# Altium PCB MB1261.PcbDoc (part 5 of 6) (continued)
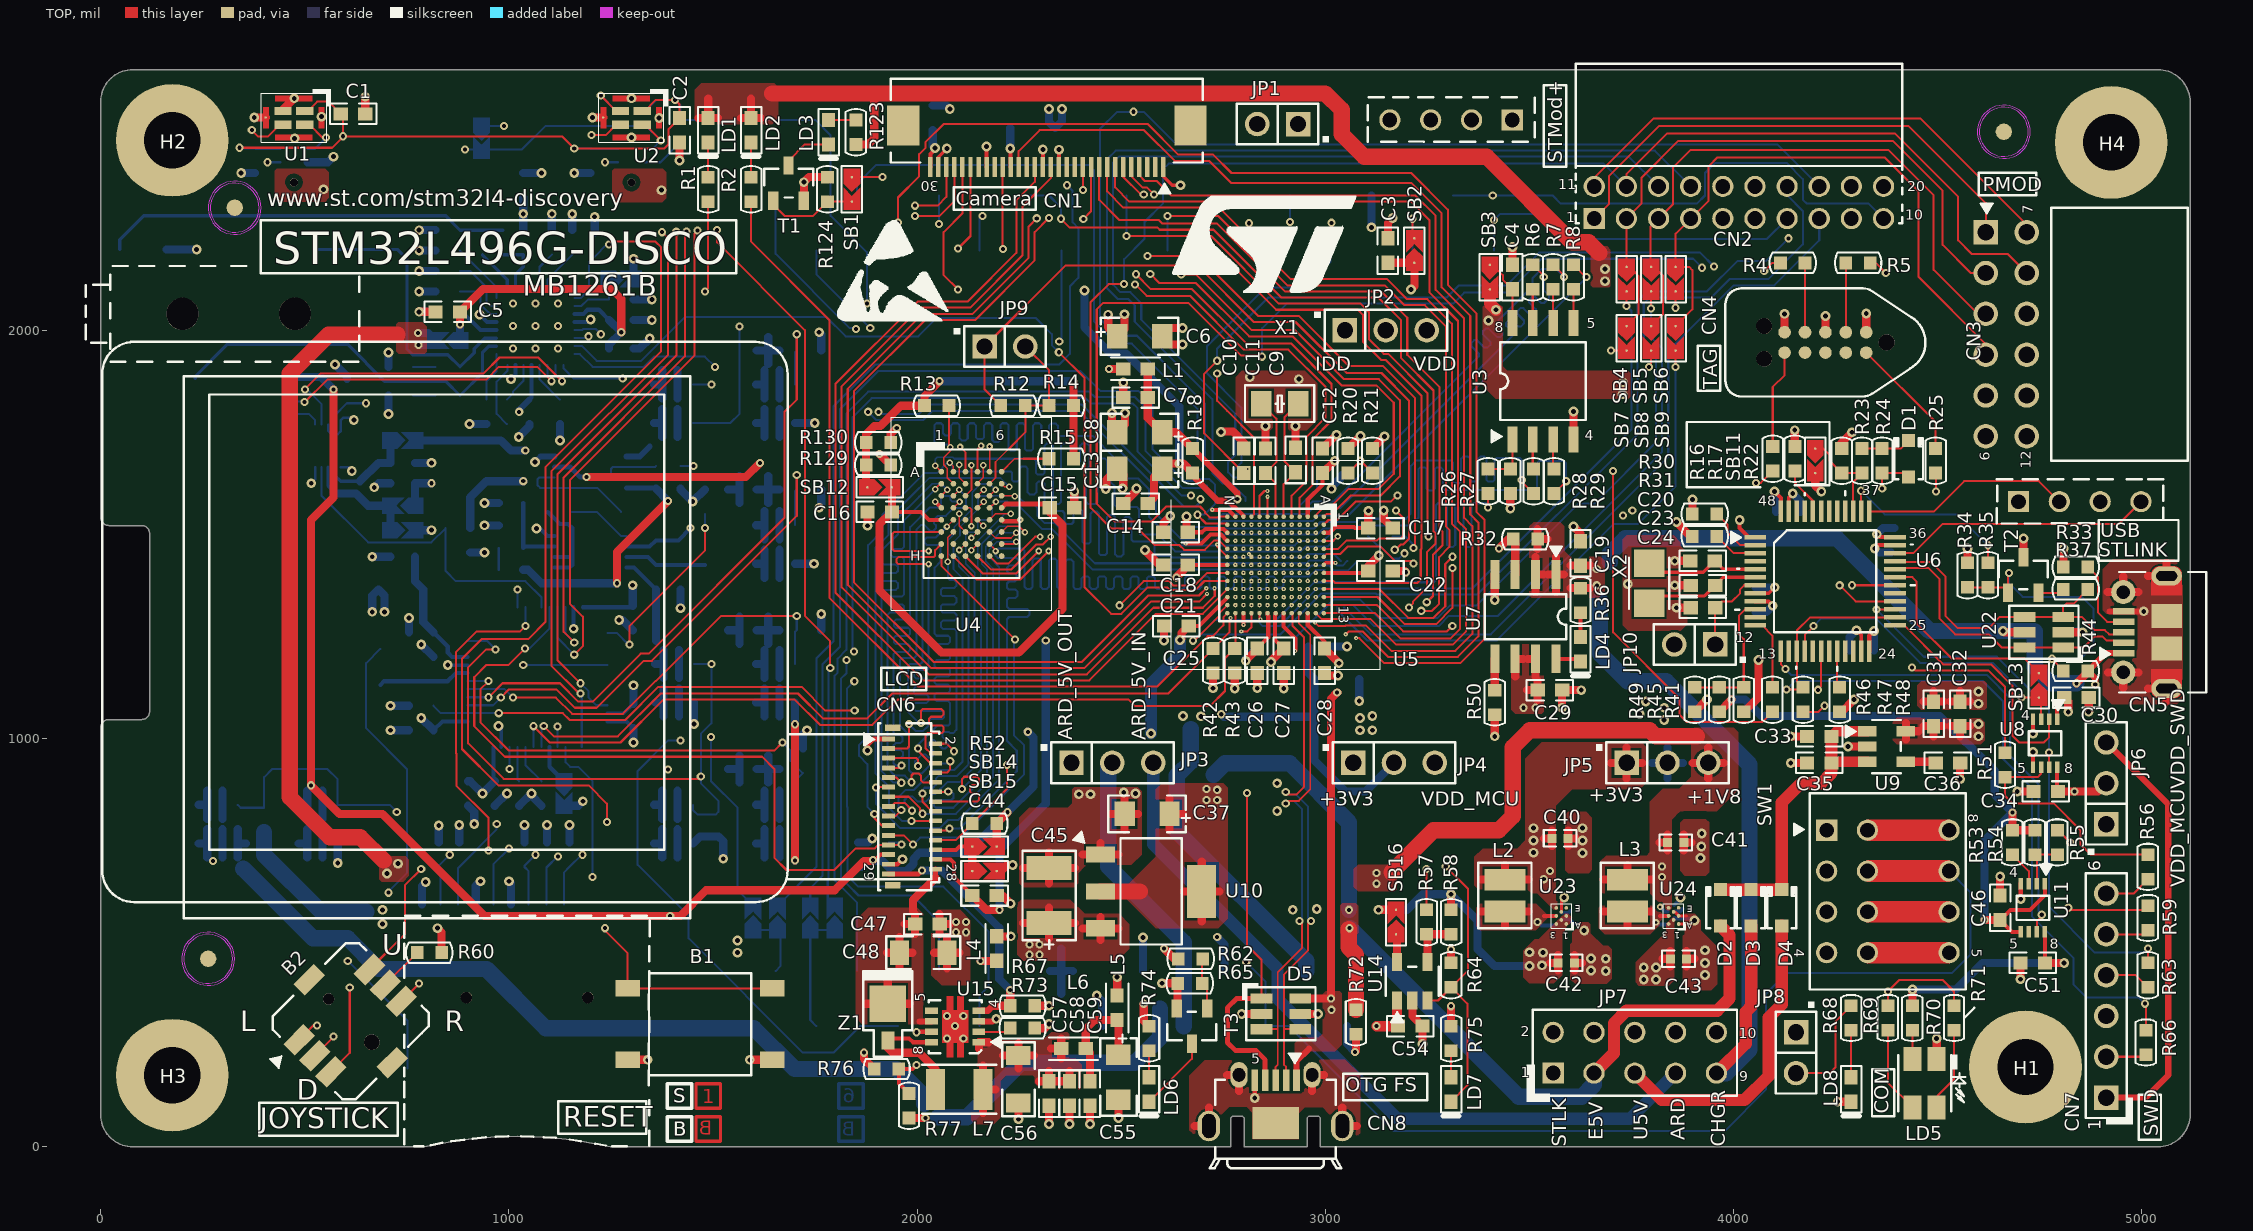
[diagram p0: TOP view]
## Nets (pads, with @x,y where several pads share a name; then routed paths per layer and width w, separated by ;. In a path a pad name is that pad's centre, name@x,y a point inside that pad or via, vN(x,y) a via of type N, cw(c..) or ccw(c..) an arc to the next point about the centre after c; other vN are vias at no path point) (continued)
  L3_SIG w20: v1(2605,485) 2727.6,362.4 v1(3014,362.4)
  L3_SIG w40: 3150,245 3310,85 3663.1,85 JP7.5@3758.1,180
  other v1: 3015,335
  other v4: 2897.79,1365.94
USB_RENUMN: R35.2 U6.38 | length 459.2
  TOP w5: U6.38@4312.68,1556.26 v1(4312.68,1606.68) ; R35.2@4623.1,1430 v1(4623.1,1473)
  BOTTOM w5: v1(4312.68,1606.68) 4370.36,1549 4547.1,1549 v1(4623.1,1473)
USD_CLK: CN17.5 U5.F8 | length 3511.9
  L3_SIG w3.5: v4(2897.79,1405.31) 2907.54,1395.56 2929.82,1395.56 2930,1395.38 2947.06,1395.38 2958.94,1383.5 3097.52,1383.5 3103,1378.02 3132,1378.02
  L3_SIG w4: v1(1000,730) 1005,735 1070,735 1112,693 1268,693 1323,748 1818.94,748 1853.94,783 1957.02,783 1971.12,768.9 2022.14,768.9 2042.04,749 3182.96,749 3330,896.04 3330,1009 3281,1058 3281,1286.03 3291.25,1296.28 3291.25,1354.82 3268.07,1378 3132.02,1378
  BOTTOM w5: CN17.5@961.8,593.35 961.8,691.8 v1(1000,730)
USD_CMD: CN17.3 R120.1 U5.D8 | length 3416.1
  TOP w3.5: U5.D8@2937.16,1405.31 U5.D8@2937.16,1405.31 2937.57,1404.98 2937.9,1405.31 2937.9,1405.14 v4(2938.07,1405.14)
  L3_SIG w4: v1(1065,715) 1102,678 1269.98,678 1327.98,736 1920,736 1940.9,756.9 1954.11,756.9 1954.21,757 1968.31,757 1968.41,756.9 2013.1,756.9 2035,735 3185.94,735 3344,893.06 3344,1019.02 3293,1070.02 3293,1281.05 3303.25,1291.3 3303.25,1359.8 3273.05,1390 3137,1390 ; v4(2938.07,1405.14) 2948.27,1405.14 2962.16,1391.25 3130.75,1391.25 3131.97,1390.03 3136.97,1390.03
  BOTTOM w5: CN17.3@1048.41,593.35 1048.41,674.69 R120.1@1038.1,685 1038.1,688.1 v1(1065,715)
USD_D0: CN17.7 R121.1 U5.G10 | length 2822.7
  L3_SIG w3.5: v4(2878.1,1365.94) 2878.1,1346.9 2917,1308 2963.04,1308 2975,1296.04 2975,1271.07 2984,1262.07
  L3_SIG w4: v1(970,790) 1000.5,820.5 1787.48,820.5 1921.98,955 2025,955 2070,910 2179,910 2264,825 2581,825 2702,946 2805,946 2983.5,1124.5 2983.5,1198.52 2998,1213.02 2998,1253.04 2988.97,1262.07 2984,1262.07
  BOTTOM w5: CN17.7@875.19,593.35 875.19,682.09 R121.1@878.1,685 970,776.9 v1(970,790)
USD_D1: CN17.8 R122.1 U5.G9 | length 2921.8
  L3_SIG w3.5: v4(2878.1,1385.63) 2887.85,1375.88 2887.85,1360.66 2890.18,1358.33 2893.33,1355.19 2902.16,1355.19 2902.35,1355 2902.84,1355 2929.34,1328.5 2963.76,1328.5 3000.53,1291.73 3000.53,1285.53 ; 3000.52,1285.52 3000.52,1284.48 3010,1275
  L3_SIG w4: v1(855,715) 879,715 930,766 1261.94,766 1291.94,796 1796.94,796 1860.94,860 1914,860 1928.38,874.38 1968.17,874.38 1969.23,875.44 1993.15,875.44 1999.71,882 2032,882 2062,852 2088,852 2142,798 2755,798 2784,827 2784,891.02 3007.5,1114.52 3007.5,1188.56 3022,1203.06 3022,1263 3010,1275
  BOTTOM w5: CN17.8@831.88,593.35 831.88,681.22 R122.1@828.1,685 828.1,688.1 v1(855,715)
USD_D2: CN17.1 R118.1 U5.D9 | length 3159.2
  L3_SIG w4: v1(1180,715) 1270,715 1315,760 1813.96,760 1851.96,798 1959,798 1976.1,780.9 2027.12,780.9 2047.02,761 3147.98,761 3225,838.02 3225,1247.01 3279.25,1301.26 3279.25,1349.84 3266.09,1363 3130.97,1363 3127.22,1366.75 3099.25,1366.75 3090.75,1375.25 2955.45,1375.25 2945.07,1385.63 v4(2937.16,1385.63)
  BOTTOM w5: CN17.1@1135.03,593.35 1135.03,671.93 R118.1@1148.1,685 1178.1,715 v1(1180,715)
USD_D3: CN17.2 R119.1 U5.E9 | length 3232.4
  L3_SIG w3.5: v4(2917.47,1385.63) 2921.37,1385.63 2931.31,1375.69 2944.04,1375.69 2952.23,1367.5 3083.11,1367.5 3091.61,1359 3124,1359 3132,1351
  L3_SIG w4: v1(1120,711) 1147,738 1268,738 1302,772 1808.98,772 1872.98,836 1923.96,836 1937.96,850 1984.92,850 1998.92,836 2044.04,836 2052.04,828 2075.02,828 2130.02,773 3143,773 3210,840 3210,1249 3267.25,1306.25 3267.25,1344.86 3261.11,1351 3132,1351
  BOTTOM w5: CN17.2@1091.72,593.35 1091.72,683.62 R119.1@1093.1,685 1119.1,711 v1(1120,711)
USD_DETECT: CN17.10 U21.29 | length 1474
  L3_SIG w4: v1(605,455) 605,820 964.53,1179.53 v1(1035,1179.53)
  BOTTOM w5: v1(605,455) 751.17,308.83 CN17.10@751.17,191.77 ; v1(1035,1179.53) U21.29@1241.26,1179.53
VDD: C60.1 C61.1 CN1.20 CN1.30 CN4.1 CN15.2 CN17.4 JP5.2 R21.1 R27.2 R42.1 R43.1 R60.1 R94.2 R114.1 R118.2 R119.2 R120.2 R121.2 R122.2 SB3.1 SB18.1 SW1.5 T8.4 T11.4 | length 2213.9
  TOP w10: CN1.30@2032.23,2400 2032.23,2431.65 2043.7,2443.12 v2(2043.7,2445.96) ; v2(2228.1,2445.06) 2229.08,2444.08 CN1.20@2229.08,2400
  TOP w20: v2(825,535) 835,525 R60.1@835,475 ; v2(2725,1122.9) R42.1@2725,1160 ; v2(2778.1,1122.1) R43.1@2778.1,1160 ; R21.1@3115,1710 v2(3145,1740) ; v2(3453.1,1562.9) R27.2@3453.1,1600 ; CN4.1@4325,1995 v2(4325,2041)
  TOP w30: SB3.1@3403.1,2100 3403.1,2064.9 v2(3418,2050)
  L4_VCC w20: 3800.08,940 JP5.2@3838.1,940 ; 3838.1,901.98 JP5.2@3838.1,940 ; 3838.1,978.02 JP5.2@3838.1,940 ; 3876.12,940 JP5.2@3838.1,940 ; 4494.08,475 SW1.5@4528.1,475 ; 4528.1,440.98 SW1.5@4528.1,475 ; 4528.1,509.02 SW1.5@4528.1,475 ; 4562.12,475 SW1.5@4528.1,475
  BOTTOM w20: v2(580.5,695) T11.4@580.5,742.76 ; R122.2@828.1,745 v2(828.1,786.9) ; R121.2@878.1,745 v2(878.1,788.1) ; R114.1@900,835 915,820 v2(915,790) ; v2(1000,650) 1005.11,644.89 CN17.4@1005.11,593.35 ; R120.2@1038.1,745 v2(1038.1,788.1) ; R119.2@1093.1,745 v2(1093.1,788.1) ; R118.2@1148.1,745 v2(1148.1,788.1) ; SB18.1@1305,2125 v2(1305,2175) ; v2(1453.6,1035) T8.4@1453.6,1087.76 ; v2(1760,1565) 1765,1570 R94.2@1765,1610 ; C60.1@2038.1,2490 2038.1,2451.56 v2(2043.7,2445.96) ; v2(2228.1,2445.06) C61.1@2228.1,2495 ; 3800.08,940 JP5.2@3838.1,940 ; 3838.1,901.98 JP5.2@3838.1,940 ; 3838.1,978.02 JP5.2@3838.1,940 ; 3876.12,940 JP5.2@3838.1,940
  BOTTOM w40: 2670,1023 2670,943 2636,909 2636,772 2953.1,454.9 CN15.2@2953.1,430
  other v1: 3729,1546 3752,1558
  other v2: 3085,1020 3115,1020 3830,1045 3085,1050 2695,1054 2651,1055 3115,1055 3770,1060 3830,1075 3785,1090 3727.88,1843.01 3729.04,1871.99 3399.95,2023.49
VDD1: C93.1 C101.1 C102.1 C103.1 CN9.1 JP2.3 L8.1 R114.2 T4.4 T6.4 U21.1 U21.24 U21.36 U21.48 | length 1345.6
  L3_SIG w20: v2(1747,1427.76) 1724,1450.76 1724,1614 1749,1639 v2(1749,1772.76)
  L4_VCC w20: 3248.1,1961.98 JP2.3@3248.1,2000 ; 3248.1,2038.02 JP2.3@3248.1,2000 ; 3286.12,2000 JP2.3@3248.1,2000 ; 3424.08,2515 CN9.1@3458.1,2515 ; 3458.1,2480.98 CN9.1@3458.1,2515 ; 3458.1,2549.02 CN9.1@3458.1,2515 ; 3492.12,2515 CN9.1@3458.1,2515
  BOTTOM w10: C102.1@815,1020 836.73,1041.73 U21.1@898.74,1041.73 ; U21.48@961.73,978.74 961.73,898.27 C103.1@965,895 ; U21.24@1181,1321.26 1301.84,1321.26 C93.1@1303.1,1325 ; U21.36@1241.26,1041.73 1288.27,1041.73 C101.1@1305,1025
  BOTTOM w20: v2(665,1445) L8.1@710,1445 ; v2(785,1050) C102.1@815,1020 ; R114.2@900,895 905,895 v2(935,865) C103.1@965,895 ; C93.1@1303.1,1325 v2(1303.1,1375) ; v2(1305,990) C101.1@1305,1025 ; T6.4@1700.5,1427.76 v2(1747,1427.76) ; T4.4@1700.5,1772.76 v2(1749,1772.76)
VDD_LCD: C82.1 C104.1 CN6.25 R52.2 R87.2 R88.1 R117.1 R129.2 SB14.1 SB21.2 T11.1 T11.2 T11.5 T11.6 | length 5309.6
  TOP w10: v1(1892,702) 1894,700 1894.78,700 1910,715.22 CN6.25@1930.26,715.22
  TOP w20: v1(570,1855) 570,1590 515,1535 v1(515,885) 585,815 690,815 940,565 v1(1395,565) 1420,565 1483,628 1798,628 1870,700 1890,700 v1(1892,702) ; v1(1908,1697) R129.2@1935,1670 ; SB14.1@2195,735 R52.2@2195,791.38 2221.62,818 v1(2221.62,819)
  L3_SIG w20: v1(570,1855) 570,1760 705,1625 v1(810,1625) ; v1(1908,1697) 1823,1612 1823,1348 2156,1015 2270,1015 2271.04,1016.04 v1(2271.1,1016.04)
  BOTTOM w20: R88.1@465,1885 R87.2@535,1885 540,1885 v1(570,1855) ; 485.18,742.76 T11.6@505.7,742.76 ; 485.18,837.24 T11.1@505.7,837.24 ; 505.7,708.24 T11.6@505.7,742.76 ; 505.7,777.28 T11.6@505.7,742.76 ; 505.7,802.72 T11.1@505.7,837.24 ; 505.7,871.76 T11.1@505.7,837.24 ; 543.1,708.24 T11.5@543.1,742.76 543.1,777.28 ; 543.1,802.72 T11.2@543.1,837.24 543.1,871.76 ; SB21.2@770,1570 C82.1@770,1625 v1(810,1625) ; C104.1@1855,685 1864.78,685 1879.78,700 1890,700 v1(1892,702) 1894,700 1915,700 R117.1@1930,685 1940,675 1973.19,675 1990.9,692.71 1990.9,704.9 2006,720 2122.62,720 v1(2221.62,819) 2285,882.38 2285,1002.14 v1(2271.1,1016.04)
VDD_MCU: C6.1 C12.1 C17.1 C18.1 C21.1 C22.1 C25.1 C26.1 C27.1 C28.1 C81.1 C89.1 C97.1 C98.1 JP2.2 JP4.3 R93.2 SB24.1 U5.A3 U5.A8 U5.B6 U5.C1 U5.C13 U5.F12 U5.G2 U5.G13 U5.H13 U5.L12 U5.N3 U5.N7 U5.N11 | length 4576
  TOP w10: C21.1@2663.1,1425 U5.N7@2759.99,1425 ; C18.1@2663.1,1505 2698,1505 2706,1513 2750.73,1513 U5.N3@2759.99,1503.74 ; C25.1@2665,1275 2690,1275 2746.49,1331.49 2746.49,1332.17 2759.99,1345.67 U5.N11@2759.99,1346.26 ; C26.1@2833.1,1220 2860,1246.9 2860,1300.3 2858.41,1301.89 U5.H13@2858.41,1306.89 ; U5.G13@2878.1,1306.89 2878.1,1301.89 2877,1300.79 2877,1241.1 C27.1@2898.1,1220 ; U5.C13@2956.84,1306.89 2956.84,1278.16 2998.1,1236.9 C28.1@2998.1,1220 ; U5.C1@2956.84,1543.11 2956.84,1584.84 2993.1,1621.1 C12.1@2993.1,1650 ; U5.A8@2996.21,1405.31 3098.41,1405.31 C22.1@3105,1410 ; U5.A3@2996.21,1503.74 3010,1503.74 3024.26,1518 3070,1518 3073,1515 C17.1@3105,1515
  TOP w20: v2(2468,2038) 2468,2007 C6.1@2490,1985 2508,2003 v2(2508,2039) ; v1(2635,1394.25) 2635,1395 2663.1,1423.1 C21.1@2663.1,1425 ; v2(2644,1241) 2647.92,1244.92 2647.92,1257.92 C25.1@2665,1275 ; v2(2660,1543.81) 2660,1508.1 C18.1@2663.1,1505 ; v2(2805,1190) 2805,1191.05 2833.1,1219.15 C26.1@2833.1,1220 ; v2(2867,1187) 2867,1190 2897,1220 C27.1@2898.1,1220 ; C12.1@2993.1,1650 v2(3023.1,1680) ; C28.1@2998.1,1220 3033,1185.1 v2(3033,1184) ; C22.1@3105,1410 3105,1422 v2(3131,1448) ; C17.1@3105,1515 3105,1557.15 v2(3105.54,1557.69)
  L2_GND w8: v2(2644,1241) 2646,1241 2687.74,1282.74 2773.74,1282.74 2799.4,1308.4 v3(2799.4,1326.7) ; v3(2878.1,1523.43) 2878.1,1575.1 2889,1586 2889,1608 v5(2912,1631) ; v3(2897.79,1326.57) 2897.79,1299.21 2907.95,1289.05 2907.95,1269.2 v5(2911.15,1266) ; v3(2976.53,1444.69) 2998.69,1444.69 3010,1456 3119,1456 3127,1448 v2(3131,1448)
  L3_SIG w30: v2(1181,846) 1700,846 1805,951 1805,1072 1837,1104 2018,1104 2150,972 2287,972 2324,1009 2570,1009 v2(2573,1012)
  L4_VCC w20: 3110.08,2000 JP2.2@3148.1,2000 ; 3148.1,1961.98 JP2.2@3148.1,2000 ; 3148.1,2038.02 JP2.2@3148.1,2000 ; 3186.12,2000 JP2.2@3148.1,2000 ; 3230.08,940 JP4.3@3268.1,940 ; 3268.1,901.98 JP4.3@3268.1,940 ; 3268.1,978.02 JP4.3@3268.1,940 ; 3306.12,940 JP4.3@3268.1,940
  L5_GND w10: v7(2890,1230) 2890,1247.73 2904.17,1261.9 2907.05,1261.9 v5(2911.15,1266) ; v7(2905,1650) 2905,1638 v5(2912,1631) 2925,1644 v7(2925,1650)
  BOTTOM w20: SB24.1@1135,835 1170,835 v2(1181,846) ; v2(2805,1190) 2805,1195 2830,1220 C98.1@2833.1,1220 ; v2(2867,1187) 2867,1190 2897,1220 C97.1@2898.1,1220 ; v2(3015.17,1611.29) 3018,1614.12 3018,1618 3040,1640 R93.2@3040,1645 ; C89.1@3105,1410 3105,1422 v2(3131,1448)
  BOTTOM w30: v2(2573,1012) 2573,1133 2644,1204 v2(2644,1241)
VDD_STL: C34.1 C46.1 JP6.2 R45.2 R53.2 R54.2 U8.8 U11.1 U11.5 | length 1891.9
  TOP w10: U11.5@4703.57,525.94 4682.16,525.94 C46.1@4653.1,555 4678.1,580 4726,580 4762.63,616.63 U11.1@4762.63,644.06 ; U8.8@4792.63,928.94 4792.63,872.37 C34.1@4795,870
  TOP w20: R45.2@3965,1065 v1(3995,1095) ; v1(4615,555) C46.1@4653.1,555 ; v1(4683.1,818.1) R53.2@4683.1,775 R54.2@4738.1,775 ; C34.1@4795,870 v1(4835,870) 4893.1,870 JP6.2@4913.1,890
  L3_SIG w20: v1(4683.1,818.1) 4783.1,818.1 v1(4835,870)
  BOTTOM w20: v1(3995,1095) 4028,1095 4068,1055 4505,1055 4640,920 4640,861.2 v1(4683.1,818.1) 4615,750 v1(4615,555)
VDDA: C7.1 C8.1 L1.2 R18.2 U5.L2 | length 499.3
  TOP w15: R18.2@2675,1710 2784.17,1600.83 v1(2784.17,1585.96)
  TOP w20: L1.2@2565,1905 C7.1@2565,1835 2565,1785 C8.1@2600,1750 2635,1750 R18.2@2675,1710
  L2_GND w8: v1(2784.17,1585.96) 2784.17,1585.17 2784,1585 2784,1559 2796.25,1546.75 2796.25,1537.54 2799.36,1534.43 v3(2799.36,1523.43)
VIN: C45.1 CN15.8 U10.3 | length 511.2
  TOP w20: 2260.08,547.5 C45.1@2323.1,547.5 ; 2323.1,509.98 C45.1@2323.1,547.5 ; 2323.1,585.02 C45.1@2323.1,547.5 ; 2386.12,547.5 C45.1@2323.1,547.5 ; 2405.56,534.45 U10.3@2449.08,534.45 ; 2449.08,506.43 U10.3@2449.08,534.45 ; 2449.08,562.47 U10.3@2449.08,534.45 ; 2492.6,534.45 U10.3@2449.08,534.45
  BOTTOM w20: 2325.08,430 CN15.8@2353.1,430 ; 2353.1,374.48 CN15.8@2353.1,430 ; 2353.1,485.52 CN15.8@2353.1,430 ; 2381.12,430 CN15.8@2353.1,430
  other v1: 2275,470 2300,470 2275,495 2300,495
VL: C56.1 C57.1 C58.1 L6.2 L7.1 U15.1 | length 521.3
  TOP w20: 2151.17,239.59 U15.1@2151.17,255.61 2174.69,255.61 ; 2161.1,81.98 L7.1@2161.1,140 ; 2161.1,198.02 L7.1@2161.1,140 ; 2192.12,140 L7.1@2161.1,140 ; 2210.08,223 C56.1@2248.1,223 ; 2248.1,191.98 C56.1@2248.1,223 ; 2248.1,254.02 C56.1@2248.1,223 ; 2286.12,223 C56.1@2248.1,223 ; 2299.08,160 C57.1@2323.1,160 ; 2323.1,185.52 C57.1@2323.1,160 ; 2327.58,240 L6.2@2353.1,240 ; 2347.12,160 C57.1@2323.1,160 ; 2349.08,160 C58.1@2373.1,160 2373.1,185.52 ; 2353.1,215.98 L6.2@2353.1,240 ; 2353.1,264.02 L6.2@2353.1,240
VREF+: C3.1 C13.1 C14.1 R18.1 SB2.2 U5.L1 | length 1850
  TOP w10: 2757,1579 2763,1579 2775.04,1566.96 2778.04,1566.96 2799.36,1545.64 U5.L1@2799.36,1543.11
  TOP w15: R18.1@2675,1650 2675,1643 2736,1582 2754,1582 2757,1579
  TOP w20: C14.1@2565,1575 2580,1590 2580,1640 C13.1@2600,1660 2613,1673 v2(2642,1673) 2652,1673 R18.1@2675,1650 ; C3.1@3153.1,2165 SB2.2@3218.1,2165 3218.1,2107.6 3210.08,2099.58 v2(3210.08,2099.5)
  L3_SIG w20: v2(2410,2097) 2421,2086 3196.58,2086 v2(3210.08,2099.5)
  BOTTOM w20: v2(2410,2097) 2410,2007 2474,1943 2512,1943 2642,1813 v2(2642,1673)
pads on no net: "B2. " "CN4. " "CN6. " "CN12. " "CN17. " "SW1. " "U16. " "U17. " B2.7 B2.8 CN1.2 CN1.3 CN1.12 CN1.13 CN1.18 CN1.22 CN1.24 CN1.31 CN1.32 CN3.9 CN3.10 CN4.7 CN4.8 CN4.9 CN12.5 CN12.7 CN13.11 CN13.12 CN17.11 CN17.12 CN17.13 CN17.14 U4.E3 U4.G2 U4.H6 U6.4 U6.11 U6.14 U6.21 U6.22 U6.40 U6.41 U6.42 U6.43 U6.45 U6.46 U11.6 U15.5 U18.19 U18.20 U18.23 U18.24 U21.10 U21.12 U21.13 U21.14 U21.15 U21.18 U21.26 U21.27 U21.28 U21.30 U21.31 U21.32 U21.33 U21.38 U23.E1 U24.E1
copper on no net: | length 1500
  TOP w8: 1458,94 1518,94 ; 1458,94 1458,154 ; 1458,94 1518,94 ; 1458,94 1458,154 ; 1458,154 1468,154 ; 1458,154 1468,154 ; 1468,154 1518,154 ; 1468,154 1518,154 ; 1518,94 1518,154 ; 1518,94 1518,154 ; 1458,13 1518,13 1518,73 1458,73 1458,13
  BOTTOM w8: 1808,73 1818,73 ; 1808,73 1808,13 1868,13 1868,73 ; 1808,73 1818,73 ; 1808,94 1868,94 ; 1808,94 1808,154 ; 1808,94 1868,94 ; 1808,94 1808,154 ; 1808,154 1818,154 ; 1808,154 1818,154 ; 1818,73 1868,73 ; 1818,73 1868,73 ; 1818,154 1868,154 ; 1818,154 1868,154 ; 1868,94 1868,154 ; 1868,94 1868,154

## Polygon pours and split planes (outlines as drawn)
no net on LAY3 (solid, pour order 257): 23 vertices, not listed, extent 5018.1,-400 5118.1,-300
no net on LAY3 (solid, pour order 258): 23 vertices, not listed, extent 5118.1,-300 5218.1,-200
no net on LAY3 (solid, pour order 268): 203.1,560 203.1,600 3.1,600 3.1,1220 3.1,1455 3.1,1970 1683.1,1970 1683.1,1010 2033.1,1010 2033.1,655 1683.1,655 1683.1,600 1443.1,600 1443.1,560 203.1,560
no net on LAY3 (solid, pour order 267): 3.1,1047 3.1,1520 449.1,1520 449.1,1776.46 665.1,1776.46 665.1,1520 577.1,1520 577.1,1047 3.1,1047
no net on LAY3 (solid, pour order 262): 4538.1,105 ccw(c4478.1,105) 4478.1,165 ccw(c4478.1,105) 4418.1,105 ccw(c4478.1,105) 4478.1,45 ccw(c4478.1,105) 4538.1,105
no net on LAY3 (solid, pour order 264): 4722.1,2486 ccw(c4662.1,2486) 4662.1,2546 ccw(c4662.1,2486) 4602.1,2486 ccw(c4662.1,2486) 4662.1,2426 ccw(c4662.1,2486) 4722.1,2486
no net on LAY3 (solid, pour order 266): 388.1,2300 ccw(c328.1,2300) 328.1,2360 ccw(c328.1,2300) 268.1,2300 ccw(c328.1,2300) 328.1,2240 ccw(c328.1,2300) 388.1,2300
no net on LAY3 (solid, pour order 261): 4722.1,2486 ccw(c4662.1,2486) 4662.1,2546 ccw(c4662.1,2486) 4602.1,2486 ccw(c4662.1,2486) 4662.1,2426 ccw(c4662.1,2486) 4722.1,2486
no net on LAY3 (solid, pour order 263): 323.1,460 ccw(c263.1,460) 263.1,520 ccw(c263.1,460) 203.1,460 ccw(c263.1,460) 263.1,400 ccw(c263.1,460) 323.1,460
no net on LAY3 (solid, pour order 265): 323.1,460 ccw(c263.1,460) 263.1,520 ccw(c263.1,460) 203.1,460 ccw(c263.1,460) 263.1,400 ccw(c263.1,460) 323.1,460
no net on LAY3 (solid, pour order 260): 23 vertices, not listed, extent 5018.1,-400 5118.1,-300
no net on LAY3 (solid, pour order 259): 23 vertices, not listed, extent 5118.1,-300 5218.1,-200
3V3_OUT on TOP "TOP-3V3_OUT" (solid, pour order 187): 45 vertices, not listed, extent 1455,2505 1660,2605
3V3_OUT on TOP "TOP-3V3_OUT 1" (solid, pour order 168): 33 vertices, not listed, extent 3650,2105 3698.08,2205
3V3_OUT on TOP "TOP-3V3_OUT 2" (solid, pour order 198): 31 vertices, not listed, extent 3365,580 3785,990
1V8_OUT on TOP "TOP-1V8_OUT" (solid, pour order 167): 682,705 688,711 747,711 755,703 755,663 741,649 688,649 682,655 682,705
1V8_OUT on TOP "TOP-1V8_OUT 1" (solid, pour order 172): 3070,680 3080,690 3170,690 3175,685 3175,630 3170,625 3080,625 3070,635 3070,680
1V8_OUT on TOP "TOP-1V8_OUT 2" (solid, pour order 171): 799,2009 799,1947 794,1942 730,1942 724,1948 724,2015 729,2020 788,2020 799,2009
1V8_OUT on TOP "TOP-1V8_OUT 3" (solid, pour order 196): 72 vertices, not listed, extent 3673,579 4011,1026
1V8_SW on TOP "TOP-1V8_SW" (solid, pour order 170): 39 vertices, not listed, extent 3670,520 3824,590
3V3_SW on TOP "TOP-3V3_SW" (solid, pour order 169): 3380,530 3370,540 3370,585 3380,595 3383.98,595 3383.98,543.48 3496.02,543.48 3496.02,595 3517,595 3546.5,565.5 3546.5,561.5 3515,530 3380,530
VDD on TOP "TOP-VDD" (solid, pour order 191): 3417,1832 3385,1864 3385,2057 3388,2060 3431,2060 3434,2057 3434,1912 3446,1900 3741,1900 3746.5,1894.5 3746.5,1836.5 3742,1832 3417,1832
BLGND on TOP "TOP-BLGND" (solid, pour order 185): 41 vertices, not listed, extent 2035.02,395 2130,580
LEDA on TOP "TOP-LEDA" (solid, pour order 192): 19 vertices, not listed, extent 1850,300 2015,585
VL on TOP "TOP-VL" (solid, pour order 190): 98 vertices, not listed, extent 2133.1,55 2403.1,280
USB_OTGFS_VBUS on TOP "TOP-USB_OTGFS_VBUS" (solid, pour order 178): 37 vertices, not listed, extent 2925,206.65 3040,380
5V_USB_CHARGER on TOP "TOP-5V_USB_CHARGER" (solid, pour order 188): 30 vertices, not listed, extent 3500,1345 3685,1530
VIN on TOP "TOP-VIN" (solid, pour order 193): 36 vertices, not listed, extent 2245,455 2520,605
+3V3_ST_LINK on TOP "TOP-+3V3_ST_LINK" (solid, pour order 175): 22 vertices, not listed, extent 4390,985 4615,1050
GND on TOP "TOP-GND" (solid, pour order 194): 457 vertices, not listed, extent 4904,1084 5101,1439
GND on TOP "TOP-GND 1" (solid, pour order 195): 389 vertices, not listed, extent 2667,18 3085,213
GND on TOP "TOP-GND 2" (solid, pour order 174): 20 vertices, not listed, extent 4450,1070 4620,1140
GND on TOP "TOP-GND 3" (solid, pour order 180): 426,2391 431,2396 550,2396 559,2387 559,2324 550,2315 435,2315 426,2324 426,2391
GND on TOP "TOP-GND 4" (solid, pour order 197): 51 vertices, not listed, extent 2250,635 2550,880
GND on TOP "TOP-GND 5" (solid, pour order 186): 27 vertices, not listed, extent 2780,1755 2980,1900
GND on TOP "TOP-GND 6" (solid, pour order 181): 1252.69,2391 1257.69,2396 1376.69,2396 1385.69,2387 1385.69,2323 1375.69,2313 1260.69,2313 1252.69,2321 1252.69,2391
GND on TOP "TOP-GND 7" (solid, pour order 177): 3595,670 3587.5,677.5 3587.5,737.98 3612.02,737.98 3612.02,772.02 3587.5,772.02 3587.5,812.5 3595,820 3639,820 3653,806 3653,678 3645,670 3595,670
GND on TOP "TOP-GND 8" (solid, pour order 176): 3869.02,792.71 3878.29,801.98 3932.02,801.98 3940,794 3940,672 3932,664 3881,664 3869.02,675.98 3869.02,727.98 3895.12,727.98 3895.12,762.02 3869.02,762.02 3869.02,792.71
GND on TOP "TOP-GND 9" (solid, pour order 189): 70 vertices, not listed, extent 3729,1264 3886,1497
GND on TOP "TOP-GND 10" (solid, pour order 184): 17 vertices, not listed, extent 3876,383 3960,570
GND on TOP "TOP-GND 11" (solid, pour order 182): 22 vertices, not listed, extent 3600.5,399 3701,550
+5V on TOP "TOP-+5V" (solid, pour order 179): 3768,394 3760,402 3760,452 3834.5,526.5 3834.5,544.5 3850,560 3855,560 3855,477.02 3827.98,477.02 3827.98,442.98 3855,442.98 3855,408 3841,394 3768,394
+5V on TOP "TOP-+5V 1" (solid, pour order 183): 29 vertices, not listed, extent 3485,400 3605,570
E5V on TOP "TOP-E5V" (solid, pour order 166): 3036,591 3041,596 3074,596 3080,590 3080,523 3074,517 3041,517 3036,522 3036,591
E5V on TOP "TOP-E5V 1" (solid, remove dead copper, pour order 199): 2738,535 2585,535 2515,605 2515,640 2585,710 2585,778.98 2649.12,778.98 2649.12,851.02 2585,851.02 2585,875 2600,890 2750,890 2761,879 2761,558 2738,535
U5V_ST_LINK on TOP "TOP-U5V_ST_LINK" (solid, pour order 173): 3465,1060 3455,1070 3455,1153.78 3482.02,1153.78 3482.02,1230 3497.98,1230 3497.98,1153.78 3535,1153.78 3535,1140.12 3496.48,1140.12 3496.48,1096.08 3535,1096.08 3535,1065 3530,1060 3465,1060
3V3_OUT on BOTTOM "BOTTOM-3V3_OUT" (solid, pour order 224): 330,665 325,670 325,686.69 330.02,691.71 330.02,710.24 354.02,710.24 354.02,775.28 330.02,775.28 330.02,790 365,790 370,785 370,670 365,665 330,665
3V3_OUT on BOTTOM "BOTTOM-3V3_OUT 1" (solid, pour order 227): 1995,40 1990,45 1990,110 1995,115 2055,115 2065,105 2065,45 2060,40 1995,40
3V3_OUT on BOTTOM "BOTTOM-3V3_OUT 2" (solid, pour order 223): 2540,360 2550,370 2610,370 2615,365 2615,325 2610,320 2560,320 2540,340 2540,360
3V3_OUT on BOTTOM "BOTTOM-3V3_OUT 3" (solid, pour order 230): 65 vertices, not listed, extent 3525,568 3640,686
1V8_OUT on BOTTOM "BOTTOM-1V8_OUT" (solid, pour order 232): 68 vertices, not listed, extent 3807,574 3925,702
VDD on BOTTOM "BOTTOM-VDD" (solid, pour order 225): 2634,1063 2641,1070 2707,1070 2712,1065 2712,1016 2710,1014 2640,1014 2634,1020 2634,1063
VDD on BOTTOM "BOTTOM-VDD 1" (solid, pour order 248): 93 vertices, not listed, extent 3050,865 3895,1190
AMP_5V on BOTTOM "BOTTOM-AMP_5V" (solid, pour order 239): 18 vertices, not listed, extent 1330,695 1425,939
AMP_VDD on BOTTOM "BOTTOM-AMP_VDD" (solid, pour order 229): 18 vertices, not listed, extent 1350,1035 1425,1245
CAL_D on BOTTOM "BOTTOM-CAL_D" (solid, pour order 243): 18 vertices, not listed, extent 1595,1380 1675,1695
SH0_D on BOTTOM "BOTTOM-SH0_D" (solid, pour order 242): 18 vertices, not listed, extent 1595,1720 1675,2000
SH1_D on BOTTOM "BOTTOM-SH1_D" (solid, pour order 240): 18 vertices, not listed, extent 1595,1035 1675,1315
SH2_D on BOTTOM "BOTTOM-SH2_D" (solid, pour order 241): 18 vertices, not listed, extent 1595,690 1675,970
T50_6 on BOTTOM "BOTTOM-T50_6" (solid, pour order 247): 47 vertices, not listed, extent 1328,880 1575,1915
3V3_LCD on BOTTOM "BOTTOM-3V3_LCD" (solid, pour order 234): 18 vertices, not listed, extent 220,685 310,895
VDD_LCD on BOTTOM "BOTTOM-VDD_LCD" (solid, pour order 236): 18 vertices, not listed, extent 465,685 555,895
5V_USB_CHARGER on BOTTOM "BOTTOM-5V_USB_CHARGER" (solid, pour order 221): 4828,1156 4831,1159 4890,1159 4897,1152 4897,1120 4895,1118 4831,1118 4828,1121 4828,1156
5V_USB_CHARGER on BOTTOM "BOTTOM-5V_USB_CHARGER 1" (solid, pour order 231): 3709,1333 3699,1323 3654,1323 3646,1331 3646,1442 3653,1449 3702,1449 3709,1442 3709,1333
VIN on BOTTOM "BOTTOM-VIN" (solid, pour order 245): 2260,525 2270,535 2380,535 2395,520 2395,385 2375,365 2275,365 2260,380 2260,525
GND on BOTTOM "BOTTOM-GND" (solid, pour order 235): 26 vertices, not listed, extent 1255.69,2313 1384.69,2394
GND on BOTTOM "BOTTOM-GND 1" (solid, pour order 233): 26 vertices, not listed, extent 429,2315 558,2394
GND on BOTTOM "BOTTOM-GND 2" (solid, pour order 238): 3617,412 3603,426 3603,433.77 3604.02,434.78 3604.02,544.01 3607.99,547.98 3613.29,547.98 3624.81,559.5 3638.5,559.5 3696,502 3696,414 3694,412 3617,412
GND on BOTTOM "BOTTOM-GND 3" (solid, pour order 237): 3958,402 3952,396 3896,396 3887.02,404.98 3887.02,550.46 3898.75,550.46 3918.28,570 3930,570 3958,542 3958,402
+5V on BOTTOM "BOTTOM-+5V" (solid, pour order 226): 635,530 635,595 640,600 695,600 700,595 700,530 695,525 640,525 635,530
+5V on BOTTOM "BOTTOM-+5V 1" (solid, pour order 246): 256 vertices, not listed, extent 3748,394 3867,630
+5V on BOTTOM "BOTTOM-+5V 2" (solid, pour order 244): 84 vertices, not listed, extent 3460,431 3589,615
E5V on BOTTOM "BOTTOM-E5V" (solid, pour order 222): 3043,510 3038,515 3038,586 3046,594 3072,594 3078,588 3078,515 3073,510 3043,510
E5V on BOTTOM "BOTTOM-E5V 1" (solid, pour order 228): 2759,846 2752,839 2685,839 2676,848 2676,899 2699,922 2750,922 2759,913 2759,846
3V3_OUT on L4_VCC "L4_VCC-3V3_OUT" (solid, pour order 215): 1327 vertices, not listed, extent 2535,320 4830,2200
VDD on L4_VCC "L4_VCC-VDD" (solid, pour order 218): 944 vertices, not listed, extent 20.04,20.04 3129.98,2617.75
VDD on L4_VCC "L4_VCC-VDD 1" (solid, pour order 213): 462 vertices, not listed, extent 3700,380 4590,2065
VDD1 on L4_VCC "L4_VCC-VDD1" (solid, pour order 216): 603 vertices, not listed, extent 615,855 3590,2617.75
3V3_LCD on L4_VCC "L4_VCC-3V3_LCD" (solid, pour order 211): 357 vertices, not listed, extent 1020,1225 2410,1890
+3V3_ST_LINK on L4_VCC "L4_VCC-+3V3_ST_LINK" (solid, pour order 212): 539 vertices, not listed, extent 3910,435 4865,1655
+5V on L4_VCC "L4_VCC-+5V" (solid, pour order 217): 2636 vertices, not listed, extent 1500.02,14.13 5102.06,2617.75
VDD_MCU on L4_VCC "L4_VCC-VDD_MCU" (solid, pour order 214): 125 vertices, not listed, extent 2430.02,880 3380,2054.98
1V8_OUT on L3_SIG "L3_SIG-1V8_OUT" (solid, pour order 204): 682,705 688,711 747,711 755,703 755,663 741,649 688,649 682,655 682,705
1V8_OUT on L3_SIG "L3_SIG-1V8_OUT 1" (solid, pour order 207): 1981,634 1976,639 1976,673 2004.98,701.98 2085.02,701.98 2093,694 2093,643 2084,634 1981,634
1V8_OUT on L3_SIG "L3_SIG-1V8_OUT 2" (solid, pour order 206): 3070,680 3080,690 3170,690 3175,685 3175,630 3170,625 3080,625 3070,635 3070,680
VDD on L3_SIG "L3_SIG-VDD" (solid, pour order 209): 35 vertices, not listed, extent 3432,1530 3766,1576
VDD on L3_SIG "L3_SIG-VDD 1" (solid, pour order 210): 3218,1768 3388,1938 3388,1942.67 3388.02,1942.68 3388.02,2054.02 3394,2060 3432,2060 3438,2054 3438,1920 3232,1714 3137,1714 3128.02,1722.98 3128.02,1752.02 3144,1768 3218,1768
USB_OTGFS_VBUS on L3_SIG "L3_SIG-USB_OTGFS_VBUS" (solid, pour order 208): 3065,380 3170,275 3170,240 3155,225 3130,225 3030,325 3010,325 2995,340 2995,375 3000,380 3065,380
+5V on L3_SIG "L3_SIG-+5V" (solid, pour order 203): 680,525 675.02,529.98 675.02,585.02 685,595 730,595 735,590 735,530 730,525 680,525
+5V on L3_SIG "L3_SIG-+5V 1" (solid, pour order 202): 1525,515 1530,520 1575,520 1580,515 1580,465 1575,460 1530,460 1525,465 1525,515
U5V_ST_LINK on L3_SIG "L3_SIG-U5V_ST_LINK" (solid, pour order 205): 3465,1085 3470,1090 3530,1090 3535,1085 3535,1030 3530,1025 3470,1025 3465,1030 3465,1085

## Text inside footprints (layer, text, board x,y; h text height)
C27: DXF_0731 "Remark: ***" at 2965.1,1286 h25 r270; DXF_0731 "Rev   : B1" at 3005.1,1286 h25 r270; DXF_0731 "Date  : 2007-05-10" at 3045.1,1286 h25 r270; DXF_0731 "Creat : Sofer Tech" at 3085.1,1286 h25 r270; DXF_0731 "Ref PN: ***" at 3125.1,1286 h25 r270; DXF_0731 "Sofer Lib Information" at 3175.1,1316 h25 r270; DXF_0731 "Approved" at 2898.1,1302 h35 r270; DXF_0731 "C0603" at 2833.1,1250 h30 r270; DXF_0731 "2" at 2898.1,1166.4 h16 r270; DXF_0731 "1" at 2898.1,1226.4 h16 r270
C28: DXF_0731 "1" at 2998.1,1226.4 h16 r270; DXF_0731 "2" at 2998.1,1166.4 h16 r270; DXF_0731 "C0603" at 2933.1,1250 h30 r270; DXF_0731 "Approved" at 2998.1,1302 h35 r270; DXF_0731 "Sofer Lib Information" at 3275.1,1316 h25 r270; DXF_0731 "Ref PN: ***" at 3225.1,1286 h25 r270; DXF_0731 "Creat : Sofer Tech" at 3185.1,1286 h25 r270; DXF_0731 "Date  : 2007-05-10" at 3145.1,1286 h25 r270; DXF_0731 "Rev   : B1" at 3105.1,1286 h25 r270; DXF_0731 "Remark: ***" at 3065.1,1286 h25 r270
C29: DXF_0731 "Remark: ***" at 3646,1051.1 h25 r180; DXF_0731 "Rev   : B1" at 3646,1011.1 h25 r180; DXF_0731 "Date  : 2007-05-10" at 3646,971.1 h25 r180; DXF_0731 "Creat : Sofer Tech" at 3646,931.1 h25 r180; DXF_0731 "Ref PN: ***" at 3646,891.1 h25 r180; DXF_0731 "Sofer Lib Information" at 3676,841.1 h25 r180; DXF_0731 "Approved" at 3662,1118.1 h35 r180; DXF_0731 "C0603" at 3610,1183.1 h30 r180; DXF_0731 "2" at 3526.4,1118.1 h16 r180; DXF_0731 "1" at 3586.4,1118.1 h16 r180
C30: DXF_0731 "Remark: ***" at 4936,1033 h25 r180; DXF_0731 "Rev   : B1" at 4936,993 h25 r180; DXF_0731 "Date  : 2007-05-10" at 4936,953 h25 r180; DXF_0731 "Creat : Sofer Tech" at 4936,913 h25 r180; DXF_0731 "Ref PN: ***" at 4936,873 h25 r180; DXF_0731 "Sofer Lib Information" at 4966,823 h25 r180; DXF_0731 "Approved" at 4952,1100 h35 r180; DXF_0731 "C0603" at 4900,1165 h30 r180; DXF_0731 "2" at 4816.4,1100 h16 r180; DXF_0731 "1" at 4876.4,1100 h16 r180
C31: DXF_0731 "Remark: ***" at 4423,964 h25 r90; DXF_0731 "Rev   : B1" at 4383,964 h25 r90; DXF_0731 "Date  : 2007-05-10" at 4343,964 h25 r90; DXF_0731 "Creat : Sofer Tech" at 4303,964 h25 r90; DXF_0731 "Ref PN: ***" at 4263,964 h25 r90; DXF_0731 "Sofer Lib Information" at 4213,934 h25 r90; DXF_0731 "Approved" at 4490,948 h35 r90; DXF_0731 "C0603" at 4555,1000 h30 r90; DXF_0731 "2" at 4490,1083.6 h16 r90; DXF_0731 "1" at 4490,1023.6 h16 r90
C32: DXF_0731 "1" at 4555,1023.6 h16 r90; DXF_0731 "2" at 4555,1083.6 h16 r90; DXF_0731 "C0603" at 4620,1000 h30 r90; DXF_0731 "CC0603KRX7R7BB104" at 4565,924 h20 r90; DXF_0731 "Approved" at 4555,948 h35 r90; DXF_0731 "Sofer Lib Information" at 4278,934 h25 r90; DXF_0731 "Ref PN: ***" at 4328,964 h25 r90; DXF_0731 "Creat : Sofer Tech" at 4368,964 h25 r90; DXF_0731 "Date  : 2007-05-10" at 4408,964 h25 r90; DXF_0731 "Rev   : B1" at 4448,964 h25 r90; DXF_0731 "Remark: ***" at 4488,964 h25 r90
C33: DXF_0731 "Remark: ***" at 4306,938 h25 r180; DXF_0731 "Rev   : B1" at 4306,898 h25 r180; DXF_0731 "Date  : 2007-05-10" at 4306,858 h25 r180; DXF_0731 "Creat : Sofer Tech" at 4306,818 h25 r180; DXF_0731 "Ref PN: ***" at 4306,778 h25 r180; DXF_0731 "Sofer Lib Information" at 4336,728 h25 r180; DXF_0731 "Approved" at 4322,1005 h35 r180; DXF_0731 "C0603" at 4270,1070 h30 r180; DXF_0731 "2" at 4186.4,1005 h16 r180; DXF_0731 "1" at 4246.4,1005 h16 r180
C34: DXF_0731 "1" at 4801.4,870 h16 r180; DXF_0731 "2" at 4741.4,870 h16 r180; DXF_0731 "C0603" at 4825,935 h30 r180; DXF_0731 "Approved" at 4877,870 h35 r180; DXF_0731 "Sofer Lib Information" at 4891,593 h25 r180; DXF_0731 "Ref PN: ***" at 4861,643 h25 r180; DXF_0731 "Creat : Sofer Tech" at 4861,683 h25 r180; DXF_0731 "Date  : 2007-05-10" at 4861,723 h25 r180; DXF_0731 "Rev   : B1" at 4861,763 h25 r180; DXF_0731 "Remark: ***" at 4861,803 h25 r180
C35: DXF_0731 "1" at 4246.4,940 h16 r180; DXF_0731 "2" at 4186.4,940 h16 r180; DXF_0731 "C0603" at 4270,1005 h30 r180; DXF_0731 "CC0603KRX7R7BB104" at 4346,950 h20 r180; DXF_0731 "Approved" at 4322,940 h35 r180; DXF_0731 "Sofer Lib Information" at 4336,663 h25 r180; DXF_0731 "Ref PN: ***" at 4306,713 h25 r180; DXF_0731 "Creat : Sofer Tech" at 4306,753 h25 r180; DXF_0731 "Date  : 2007-05-10" at 4306,793 h25 r180; DXF_0731 "Rev   : B1" at 4306,833 h25 r180; DXF_0731 "Remark: ***" at 4306,873 h25 r180
C36: DXF_0731 "1" at 4488.6,940 h16; DXF_0731 "2" at 4548.6,940 h16; DXF_0731 "C0603" at 4465,875 h30; DXF_0731 "CC0603KRX7R7BB104" at 4389,930 h20; DXF_0731 "Approved" at 4413,940 h35; DXF_0731 "Sofer Lib Information" at 4399,1217 h25; DXF_0731 "Ref PN: ***" at 4429,1167 h25; DXF_0731 "Creat : Sofer Tech" at 4429,1127 h25; DXF_0731 "Date  : 2007-05-10" at 4429,1087 h25; DXF_0731 "Rev   : B1" at 4429,1047 h25; DXF_0731 "Remark: ***" at 4429,1007 h25
C37: DXF_0731 "2" at 2501.7,815 h16; DXF_0731 "1" at 2611.7,815 h16
C40: DXF_0731 "1" at 3548.6,755 h16; DXF_0731 "2" at 3588.6,755 h16; DXF_0731 "Creat : Sofer Tech" at 3469,952 h25; DXF_0731 "Sofer Lib Information" at 3439,1042 h25; DXF_0731 "Ref PN: ***" at 3469,992 h25; DXF_0731 "Date  : 2008-12-12" at 3469,912 h25; DXF_0731 "Rev   : A1" at 3469,872 h25; DXF_0731 "Remark: ***" at 3469,832 h25; DXF_0731 "C0402" at 3525,690 h25; DXF_0731 "NO" at 3542,740 h35
C41: DXF_0731 "1" at 3831.7,745 h16; DXF_0731 "2" at 3871.7,745 h16; DXF_0731 "Creat : Sofer Tech" at 3752.1,942 h25; DXF_0731 "Sofer Lib Information" at 3722.1,1032 h25; DXF_0731 "Ref PN: ***" at 3752.1,982 h25; DXF_0731 "Date  : 2008-12-12" at 3752.1,902 h25; DXF_0731 "Rev   : A1" at 3752.1,862 h25; DXF_0731 "Remark: ***" at 3752.1,822 h25; DXF_0731 "C0402" at 3808.1,680 h25; DXF_0731 "NO" at 3825.1,730 h35
C42: DXF_0731 "2" at 3603.6,450 h16; DXF_0731 "1" at 3563.6,450 h16; DXF_0731 "Creat : Sofer Tech" at 3484,647 h25; DXF_0731 "Sofer Lib Information" at 3454,737 h25; DXF_0731 "Ref PN: ***" at 3484,687 h25; DXF_0731 "Date  : 2008-12-12" at 3484,607 h25; DXF_0731 "Rev   : A1" at 3484,567 h25; DXF_0731 "Remark: ***" at 3484,527 h25; DXF_0731 "C0402" at 3540,385 h25; DXF_0731 "NO" at 3557,435 h35
C43: DXF_0731 "2" at 3878.6,460 h16; DXF_0731 "1" at 3838.6,460 h16; DXF_0731 "Creat : Sofer Tech" at 3759,657 h25; DXF_0731 "Sofer Lib Information" at 3729,747 h25; DXF_0731 "Ref PN: ***" at 3759,697 h25; DXF_0731 "Date  : 2008-12-12" at 3759,617 h25; DXF_0731 "Rev   : A1" at 3759,577 h25; DXF_0731 "Remark: ***" at 3759,537 h25; DXF_0731 "C0402" at 3815,395 h25; DXF_0731 "NO" at 3832,445 h35
C44: DXF_0731 "Remark: ***" at 2069,682 h25; DXF_0731 "Rev   : B1" at 2069,722 h25; DXF_0731 "Date  : 2007-05-10" at 2069,762 h25; DXF_0731 "Creat : Sofer Tech" at 2069,802 h25; DXF_0731 "Ref PN: ***" at 2069,842 h25; DXF_0731 "Sofer Lib Information" at 2039,892 h25; DXF_0731 "Approved" at 2053,615 h35; DXF_0731 "C0603" at 2105,550 h30; DXF_0731 "2" at 2188.6,615 h16; DXF_0731 "1" at 2128.6,615 h16
C45: DXF_0731 "1" at 2316.7,547.5 h16 r90; DXF_0731 "2" at 2316.7,682.5 h16 r90; DXF_0731 "Sofer Lib Information" at 2001.1,489 h25 r90; DXF_0731 "Remark: ***" at 2211.1,519 h25 r90; DXF_0731 "Ref PN: ***" at 2051.1,519 h25 r90; DXF_0731 "Creat : Sofer Tech" at 2091.1,519 h25 r90; DXF_0731 "Rev   : A2" at 2171.1,519 h25 r90; DXF_0731 "Date  : 2007-04-26" at 2131.1,519 h25 r90; DXF_0731 "Approved" at 2211.1,615 h35 r90; DXF_0731 "C1210" at 2373.1,570 h30 r90
C46: DXF_0731 "1" at 4653.1,548.6 h16 r90; DXF_0731 "2" at 4653.1,608.6 h16 r90; DXF_0731 "C0603" at 4718.1,525 h30 r90; DXF_0731 "Approved" at 4653.1,473 h35 r90; DXF_0731 "Sofer Lib Information" at 4376.1,459 h25 r90; DXF_0731 "Ref PN: ***" at 4426.1,489 h25 r90; DXF_0731 "Creat : Sofer Tech" at 4466.1,489 h25 r90; DXF_0731 "Date  : 2007-05-10" at 4506.1,489 h25 r90; DXF_0731 "Rev   : B1" at 4546.1,489 h25 r90; DXF_0731 "Remark: ***" at 4586.1,489 h25 r90
C47: DXF_0731 "1" at 1988.6,545 h16; DXF_0731 "2" at 2048.6,545 h16; DXF_0731 "C0603" at 1965,480 h30; DXF_0731 "CC0603KRX7R7BB104" at 1889,535 h20; DXF_0731 "Approved" at 1913,545 h35; DXF_0731 "Sofer Lib Information" at 1899,822 h25; DXF_0731 "Ref PN: ***" at 1929,772 h25; DXF_0731 "Creat : Sofer Tech" at 1929,732 h25; DXF_0731 "Date  : 2007-05-10" at 1929,692 h25; DXF_0731 "Rev   : B1" at 1929,652 h25; DXF_0731 "Remark: ***" at 1929,612 h25
C48: DXF_0731 "2" at 2066.6,475 h16; DXF_0731 "1" at 1950.6,475 h16; DXF_0731 "Approved" at 1903,475 h35; DXF_0731 "Sofer Lib Information" at 1889,757 h25; DXF_0731 "Ref PN: ***" at 1919,707 h25; DXF_0731 "Creat : Sofer Tech" at 1919,667 h25; DXF_0731 "Date  : 2010-12-15" at 1919,627 h25; DXF_0731 "Rev   : C1" at 1919,587 h25; DXF_0731 "Remark: ***" at 1919,547 h25; DXF_0731 "C1206" at 1945,395 h30
C51: DXF_0731 "Remark: ***" at 4637.1,517 h25; DXF_0731 "Rev   : B1" at 4637.1,557 h25; DXF_0731 "Date  : 2007-05-10" at 4637.1,597 h25; DXF_0731 "Creat : Sofer Tech" at 4637.1,637 h25; DXF_0731 "Ref PN: ***" at 4637.1,677 h25; DXF_0731 "Sofer Lib Information" at 4607.1,727 h25; DXF_0731 "Approved" at 4621.1,450 h35; DXF_0731 "C0603" at 4673.1,385 h30; DXF_0731 "2" at 4756.7,450 h16; DXF_0731 "1" at 4696.7,450 h16
C54: DXF_0731 "1" at 3171.7,295 h16; DXF_0731 "2" at 3231.7,295 h16; DXF_0731 "C0603" at 3148.1,230 h30; DXF_0731 "CC0603KRX7R7BB104" at 3072.1,285 h20; DXF_0731 "Approved" at 3096.1,295 h35; DXF_0731 "Sofer Lib Information" at 3082.1,572 h25; DXF_0731 "Ref PN: ***" at 3112.1,522 h25; DXF_0731 "Creat : Sofer Tech" at 3112.1,482 h25; DXF_0731 "Date  : 2007-05-10" at 3112.1,442 h25; DXF_0731 "Rev   : B1" at 3112.1,402 h25; DXF_0731 "Remark: ***" at 3112.1,362 h25
C55: DXF_0731 "2" at 2486.7,115 h16 r90; DXF_0731 "1" at 2486.7,225 h16 r90
C56: DXF_0731 "2" at 2241.7,107 h16 r270; DXF_0731 "1" at 2241.7,223 h16 r270; DXF_0731 "Approved" at 2136.1,165 h35 r270; DXF_0731 "Sofer Lib Information" at 2530.1,291 h25 r270; DXF_0731 "Ref PN: ***" at 2480.1,261 h25 r270; DXF_0731 "Creat : Sofer Tech" at 2440.1,261 h25 r270; DXF_0731 "Date  : 2010-12-15" at 2400.1,261 h25 r270; DXF_0731 "Rev   : C1" at 2360.1,261 h25 r270; DXF_0731 "Remark: ***" at 2320.1,261 h25 r270; DXF_0731 "C1206" at 2108.1,175 h30 r270
C57: DXF_0731 "Remark: ***" at 2390.1,226 h25 r270; DXF_0731 "Rev   : B1" at 2430.1,226 h25 r270; DXF_0731 "Date  : 2007-05-10" at 2470.1,226 h25 r270; DXF_0731 "Creat : Sofer Tech" at 2510.1,226 h25 r270; DXF_0731 "Ref PN: ***" at 2550.1,226 h25 r270; DXF_0731 "Sofer Lib Information" at 2600.1,256 h25 r270; DXF_0731 "Approved" at 2323.1,242 h35 r270; DXF_0731 "CC0603KRX7R7BB104" at 2313.1,266 h20 r270; DXF_0731 "C0603" at 2258.1,190 h30 r270; DXF_0731 "2" at 2323.1,106.4 h16 r270; DXF_0731 "1" at 2323.1,166.4 h16 r270
C58: DXF_0731 "1" at 2373.1,166.4 h16 r270; DXF_0731 "2" at 2373.1,106.4 h16 r270; DXF_0731 "C0603" at 2308.1,190 h30 r270; DXF_0731 "Approved" at 2373.1,242 h35 r270; DXF_0731 "Sofer Lib Information" at 2650.1,256 h25 r270; DXF_0731 "Ref PN: ***" at 2600.1,226 h25 r270; DXF_0731 "Creat : Sofer Tech" at 2560.1,226 h25 r270; DXF_0731 "Date  : 2007-05-10" at 2520.1,226 h25 r270; DXF_0731 "Rev   : B1" at 2480.1,226 h25 r270; DXF_0731 "Remark: ***" at 2440.1,226 h25 r270
C59: DXF_0731 "1" at 2423.1,166.4 h16 r270; DXF_0731 "2" at 2423.1,106.4 h16 r270; DXF_0731 "C0603" at 2358.1,190 h30 r270; DXF_0731 "Approved" at 2423.1,242 h35 r270; DXF_0731 "Sofer Lib Information" at 2700.1,256 h25 r270; DXF_0731 "Ref PN: ***" at 2650.1,226 h25 r270; DXF_0731 "Creat : Sofer Tech" at 2610.1,226 h25 r270; DXF_0731 "Date  : 2007-05-10" at 2570.1,226 h25 r270; DXF_0731 "Rev   : B1" at 2530.1,226 h25 r270; DXF_0731 "Remark: ***" at 2490.1,226 h25 r270
C60: DXF_0731 "Remark: ***" at 2105.1,2424 h25 r270; DXF_0731 "Rev   : B1" at 2145.1,2424 h25 r270; DXF_0731 "Date  : 2007-05-10" at 2185.1,2424 h25 r270; DXF_0731 "Creat : Sofer Tech" at 2225.1,2424 h25 r270; DXF_0731 "Ref PN: ***" at 2265.1,2424 h25 r270; DXF_0731 "Sofer Lib Information" at 2315.1,2394 h25 r270; DXF_0731 "Approved" at 2038.1,2408 h35 r270; DXF_0731 "C0603" at 1973.1,2460 h30 r270; DXF_0731 "2" at 2038.1,2543.6 h16 r270; DXF_0731 "1" at 2038.1,2483.6 h16 r270
C61: DXF_0731 "1" at 2344.5,2495 h16 r180; DXF_0731 "2" at 2234.5,2495 h16 r180
C62: DXF_0731 "1" at 1200,2451.4 h16 r90; DXF_0731 "2" at 1200,2391.4 h16 r90; DXF_0731 "C0603" at 1265,2475 h30 r90; DXF_0731 "CC0603KRX7R7BB104" at 1210,2551 h20 r90; DXF_0731 "Approved" at 1200,2527 h35 r90; DXF_0731 "Sofer Lib Information" at 923,2541 h25 r90; DXF_0731 "Ref PN: ***" at 973,2511 h25 r90; DXF_0731 "Creat : Sofer Tech" at 1013,2511 h25 r90; DXF_0731 "Date  : 2007-05-10" at 1053,2511 h25 r90; DXF_0731 "Rev   : B1" at 1093,2511 h25 r90; DXF_0731 "Remark: ***" at 1133,2511 h25 r90
C63: DXF_0731 "Remark: ***" at 311.1,2511 h25 r90; DXF_0731 "Rev   : B1" at 271.1,2511 h25 r90; DXF_0731 "Date  : 2007-05-10" at 231.1,2511 h25 r90; DXF_0731 "Creat : Sofer Tech" at 191.1,2511 h25 r90; DXF_0731 "Ref PN: ***" at 151.1,2511 h25 r90; DXF_0731 "Sofer Lib Information" at 101.1,2541 h25 r90; DXF_0731 "Approved" at 378.1,2527 h35 r90; DXF_0731 "CC0603KRX7R7BB104" at 388.1,2551 h20 r90; DXF_0731 "C0603" at 443.1,2475 h30 r90; DXF_0731 "2" at 378.1,2391.4 h16 r90; DXF_0731 "1" at 378.1,2451.4 h16 r90
C64: DXF_0731 "Remark: ***" at 1222,2119 h25 r270; DXF_0731 "Rev   : B1" at 1262,2119 h25 r270; DXF_0731 "Date  : 2007-05-10" at 1302,2119 h25 r270; DXF_0731 "Creat : Sofer Tech" at 1342,2119 h25 r270; DXF_0731 "Ref PN: ***" at 1382,2119 h25 r270; DXF_0731 "Sofer Lib Information" at 1432,2089 h25 r270; DXF_0731 "Approved" at 1155,2103 h35 r270; DXF_0731 "CC0603KRX7R7BB104" at 1145,2079 h20 r270; DXF_0731 "C0603" at 1090,2155 h30 r270; DXF_0731 "2" at 1155,2238.6 h16 r270; DXF_0731 "1" at 1155,2178.6 h16 r270
C65: DXF_0731 "Remark: ***" at 1172,2119 h25 r270; DXF_0731 "Rev   : B1" at 1212,2119 h25 r270; DXF_0731 "Date  : 2007-05-10" at 1252,2119 h25 r270; DXF_0731 "Creat : Sofer Tech" at 1292,2119 h25 r270; DXF_0731 "Ref PN: ***" at 1332,2119 h25 r270; DXF_0731 "Sofer Lib Information" at 1382,2089 h25 r270; DXF_0731 "Approved" at 1105,2103 h35 r270; DXF_0731 "CC0603KRX7R7BB104" at 1095,2079 h20 r270; DXF_0731 "C0603" at 1040,2155 h30 r270; DXF_0731 "2" at 1105,2238.6 h16 r270; DXF_0731 "1" at 1105,2178.6 h16 r270
C66: DXF_0731 "1" at 1035,2251.4 h16 r90; DXF_0731 "2" at 1035,2191.4 h16 r90; DXF_0731 "C0603" at 1100,2275 h30 r90; DXF_0731 "Approved" at 1035,2327 h35 r90; DXF_0731 "Sofer Lib Information" at 758,2341 h25 r90; DXF_0731 "Ref PN: ***" at 808,2311 h25 r90; DXF_0731 "Creat : Sofer Tech" at 848,2311 h25 r90; DXF_0731 "Date  : 2007-05-10" at 888,2311 h25 r90; DXF_0731 "Rev   : B1" at 928,2311 h25 r90; DXF_0731 "Remark: ***" at 968,2311 h25 r90
C67: DXF_0731 "Remark: ***" at 868,2311 h25 r90; DXF_0731 "Rev   : B1" at 828,2311 h25 r90; DXF_0731 "Date  : 2007-05-10" at 788,2311 h25 r90; DXF_0731 "Creat : Sofer Tech" at 748,2311 h25 r90; DXF_0731 "Ref PN: ***" at 708,2311 h25 r90; DXF_0731 "Sofer Lib Information" at 658,2341 h25 r90; DXF_0731 "Approved" at 935,2327 h35 r90; DXF_0731 "CC0603KRX7R7BB104" at 945,2351 h20 r90; DXF_0731 "C0603" at 1000,2275 h30 r90; DXF_0731 "2" at 935,2191.4 h16 r90; DXF_0731 "1" at 935,2251.4 h16 r90
C68: DXF_0731 "1" at 813.6,2195 h16 r180; DXF_0731 "2" at 873.6,2195 h16 r180; DXF_0731 "C0603" at 790,2260 h30 r180; DXF_0731 "CC0603KRX7R7BB104" at 714,2205 h20 r180; DXF_0731 "Approved" at 738,2195 h35 r180; DXF_0731 "Sofer Lib Information" at 724,1918 h25 r180; DXF_0731 "Ref PN: ***" at 754,1968 h25 r180; DXF_0731 "Creat : Sofer Tech" at 754,2008 h25 r180; DXF_0731 "Date  : 2007-05-10" at 754,2048 h25 r180; DXF_0731 "Rev   : B1" at 754,2088 h25 r180; DXF_0731 "Remark: ***" at 754,2128 h25 r180
C69: DXF_0731 "Remark: ***" at 754,2078 h25 r180; DXF_0731 "Rev   : B1" at 754,2038 h25 r180; DXF_0731 "Date  : 2007-05-10" at 754,1998 h25 r180; DXF_0731 "Creat : Sofer Tech" at 754,1958 h25 r180; DXF_0731 "Ref PN: ***" at 754,1918 h25 r180; DXF_0731 "Sofer Lib Information" at 724,1868 h25 r180; DXF_0731 "Approved" at 738,2145 h35 r180; DXF_0731 "CC0603KRX7R7BB104" at 714,2155 h20 r180; DXF_0731 "C0603" at 790,2210 h30 r180; DXF_0731 "2" at 873.6,2145 h16 r180; DXF_0731 "1" at 813.6,2145 h16 r180
C70: DXF_0731 "Remark: ***" at 754,2028 h25 r180; DXF_0731 "Rev   : B1" at 754,1988 h25 r180; DXF_0731 "Date  : 2007-05-10" at 754,1948 h25 r180; DXF_0731 "Creat : Sofer Tech" at 754,1908 h25 r180; DXF_0731 "Ref PN: ***" at 754,1868 h25 r180; DXF_0731 "Sofer Lib Information" at 724,1818 h25 r180; DXF_0731 "Approved" at 738,2095 h35 r180; DXF_0731 "CC0603KRX7R7BB104" at 714,2105 h20 r180; DXF_0731 "C0603" at 790,2160 h30 r180; DXF_0731 "2" at 873.6,2095 h16 r180; DXF_0731 "1" at 813.6,2095 h16 r180
C71: DXF_0731 "1" at 1311.4,2075 h16; DXF_0731 "2" at 1251.4,2075 h16; DXF_0731 "C0603" at 1335,2010 h30; DXF_0731 "Approved" at 1387,2075 h35; DXF_0731 "Sofer Lib Information" at 1401,2352 h25; DXF_0731 "Ref PN: ***" at 1371,2302 h25; DXF_0731 "Creat : Sofer Tech" at 1371,2262 h25; DXF_0731 "Date  : 2007-05-10" at 1371,2222 h25; DXF_0731 "Rev   : B1" at 1371,2182 h25; DXF_0731 "Remark: ***" at 1371,2142 h25
C72: DXF_0731 "1" at 886.4,2045 h16; DXF_0731 "2" at 826.4,2045 h16; DXF_0731 "C0603" at 910,1980 h30; DXF_0731 "Approved" at 962,2045 h35; DXF_0731 "Sofer Lib Information" at 976,2322 h25; DXF_0731 "Ref PN: ***" at 946,2272 h25; DXF_0731 "Creat : Sofer Tech" at 946,2232 h25; DXF_0731 "Date  : 2007-05-10" at 946,2192 h25; DXF_0731 "Rev   : B1" at 946,2152 h25; DXF_0731 "Remark: ***" at 946,2112 h25
C73: DXF_0731 "1" at 1238.6,2025 h16 r180; DXF_0731 "2" at 1298.6,2025 h16 r180; DXF_0731 "C0603" at 1215,2090 h30 r180; DXF_0731 "Approved" at 1163,2025 h35 r180; DXF_0731 "Sofer Lib Information" at 1149,1748 h25 r180; DXF_0731 "Ref PN: ***" at 1179,1798 h25 r180; DXF_0731 "Creat : Sofer Tech" at 1179,1838 h25 r180; DXF_0731 "Date  : 2007-05-10" at 1179,1878 h25 r180; DXF_0731 "Rev   : B1" at 1179,1918 h25 r180; DXF_0731 "Remark: ***" at 1179,1958 h25 r180
C74: DXF_0731 "Remark: ***" at 1179,1888 h25 r180; DXF_0731 "Rev   : B1" at 1179,1848 h25 r180; DXF_0731 "Date  : 2007-05-10" at 1179,1808 h25 r180; DXF_0731 "Creat : Sofer Tech" at 1179,1768 h25 r180; DXF_0731 "Ref PN: ***" at 1179,1728 h25 r180; DXF_0731 "Sofer Lib Information" at 1149,1678 h25 r180; DXF_0731 "Approved" at 1163,1955 h35 r180; DXF_0731 "CC0603KRX7R7BB104" at 1139,1965 h20 r180; DXF_0731 "C0603" at 1215,2020 h30 r180; DXF_0731 "2" at 1298.6,1955 h16 r180; DXF_0731 "1" at 1238.6,1955 h16 r180
C75: DXF_0731 "1" at 886.4,1910 h16; DXF_0731 "2" at 826.4,1910 h16; DXF_0731 "C0603" at 910,1845 h30; DXF_0731 "CC0603KRX7R7BB104" at 986,1900 h20; DXF_0731 "Approved" at 962,1910 h35; DXF_0731 "Sofer Lib Information" at 976,2187 h25; DXF_0731 "Ref PN: ***" at 946,2137 h25; DXF_0731 "Creat : Sofer Tech" at 946,2097 h25; DXF_0731 "Date  : 2007-05-10" at 946,2057 h25; DXF_0731 "Rev   : B1" at 946,2017 h25; DXF_0731 "Remark: ***" at 946,1977 h25